# Altium PCB PCB1.PcbDoc (part 1 of 2) (continued)
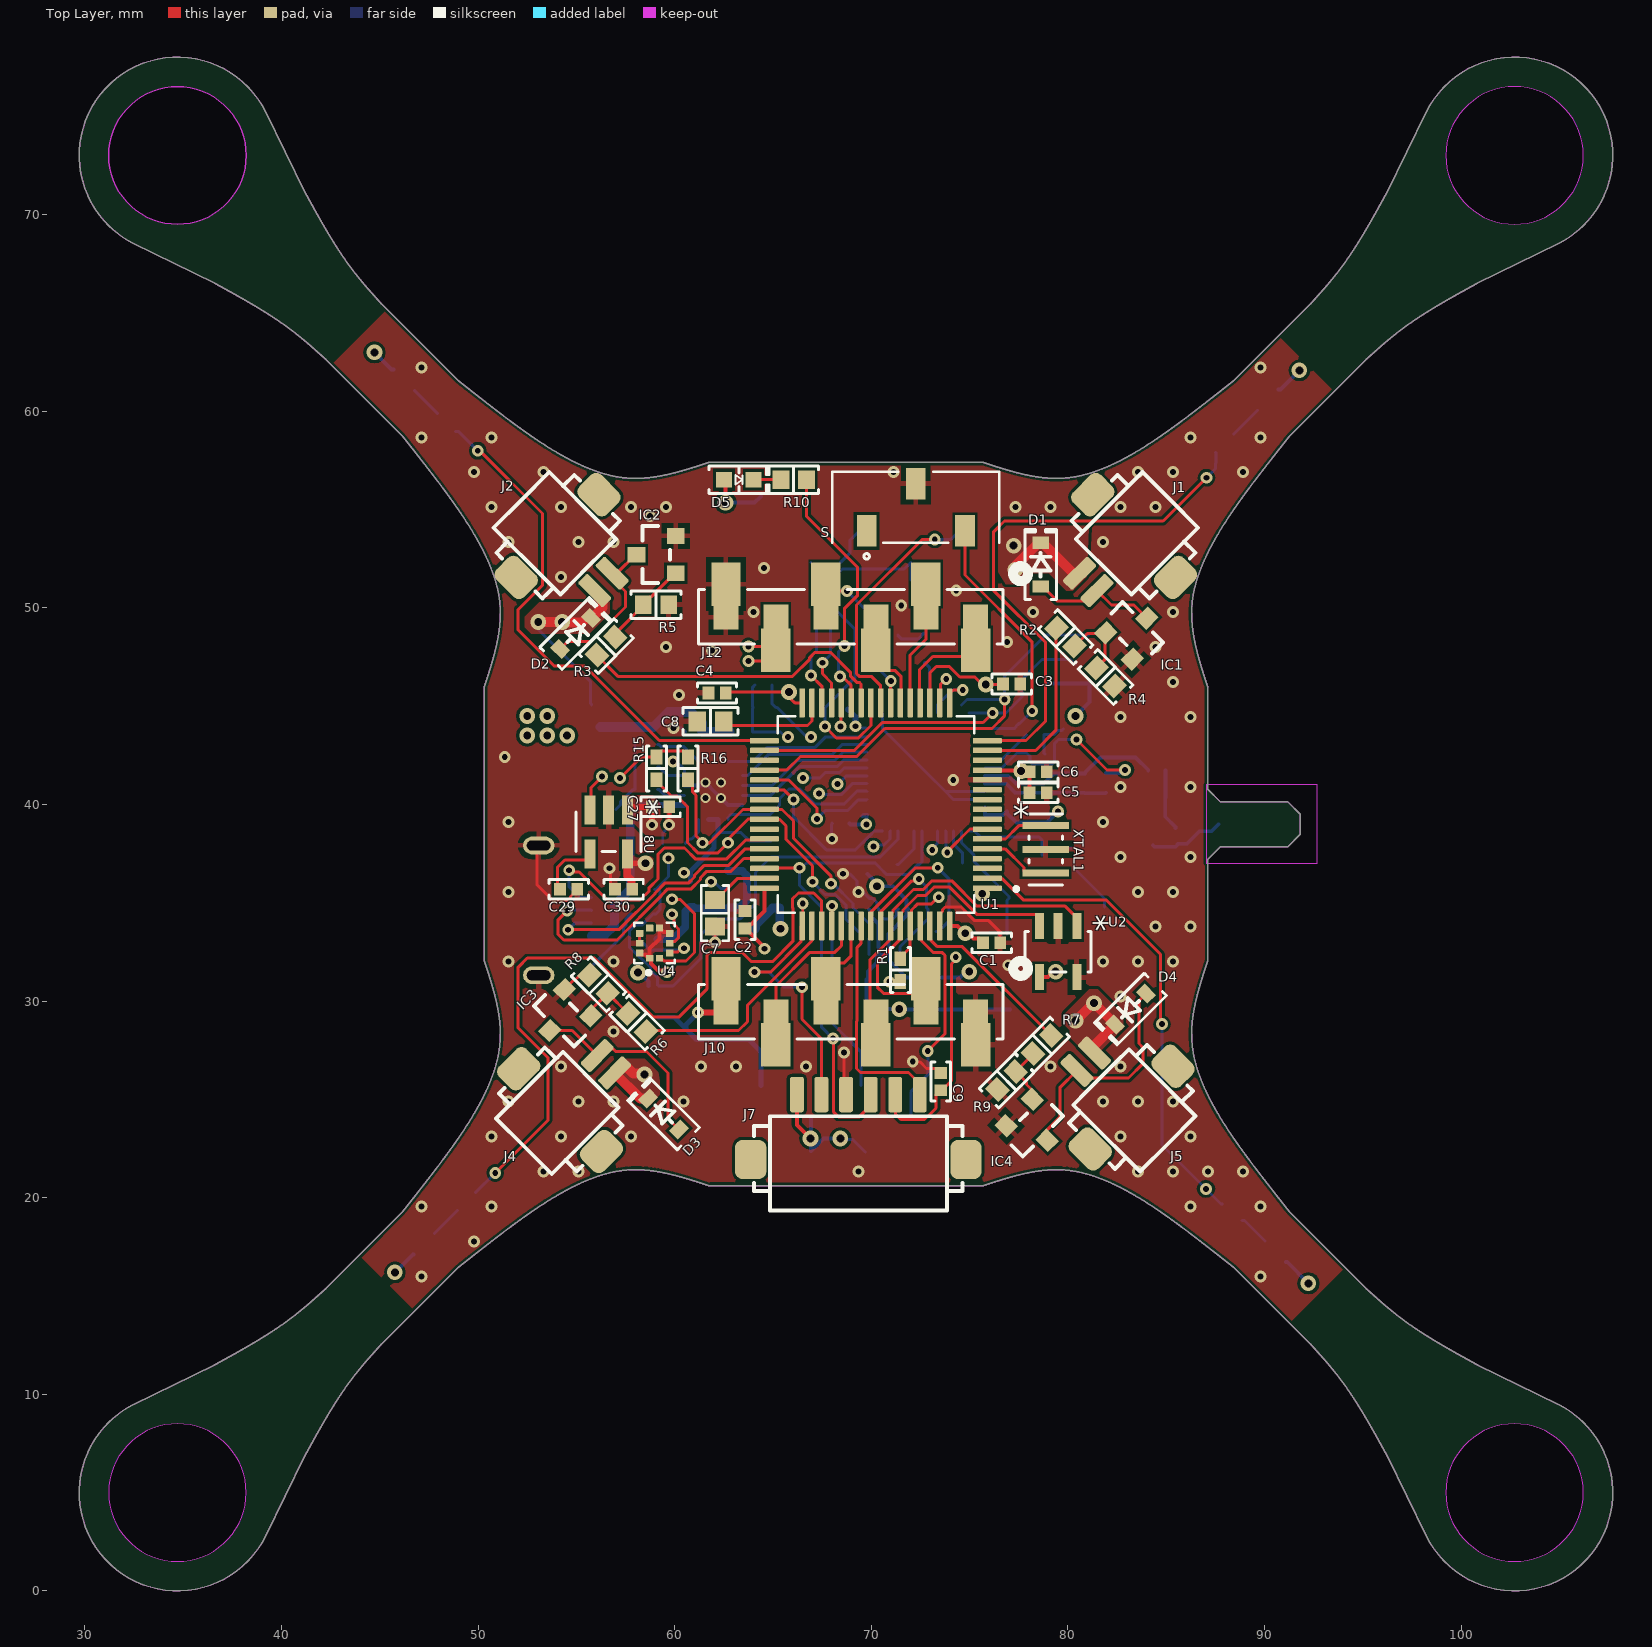
[diagram p0: Top Layer view]
## Part data (continued)
D7 D9: library part XZVG53W-3, "LED GREEN CLEAR CHIP SMD", Current - Test=20mA, Device Package="0603 (1608 Metric)", Lens Color=Colorless, Manufacturer=SunLED, Millicandela Rating=49mcd, Supplier Device Package="Chip LED", Supplier Part Number 1=1497-1214-1-ND, Voltage - Forward (Vf) (Typ)=2.1V, Color=Green, ComponentLink1Description=Datasheet, ComponentLink1URL=https://www.sunledusa.com/products/spec/XZVG53W-3.pdf, ComponentLink2Description="DigiKey Link", ComponentLink2URL=http://digikey.com/product-detail/en/sunled/XZVG53W-3/1497-1214-1-ND/4745906, Configuration=Standard, Height (Max)=0.45mm, LastUpdated="1/21/2020 3:12:15 AM", Lens Size="1.10mm x 0.80mm", Lens Style="Rectangle with Flat Top", Lens Transparency=Clear, Lifecycle Status=Active, Minimum Order=1, Mounting Type="Surface Mount", Package / Case="0603 (1608 Metric)", Packaging=TapeAndReel, PartId=580, Part Number=XZVG53W-3, Part Status=Active, Price=0.07, Series=-, Size / Dimension="1.60mm L x 0.80mm W", Supplier 1=DigiKey, Viewing Angle=120°, Wavelength - Dominant=570nm, Wavelength - Peak=574nm
IC1 IC2 IC3 IC4: "MOSFET N-CH 60V 115MA SOT-23", Current - Continuous Drain (Id) @ 25°C="115mA (Ta)", Device Package="TO-236-3, SC-59, SOT-23-3", Drain to Source Voltage (Vdss)=60V, Drive Voltage (Max Rds On,  Min Rds On)="5V, 10V", Input Capacitance (Ciss) (Max) @ Vds="50pF @ 25V", Manufacturer="ON Semiconductor", Operating Temperature="-55°C ~ 150°C (TJ)", Power Dissipation (Max)="200mW (Ta)", Supplier Device Package="SOT-23 (TO-236AB)", Supplier Part Number 1=2N7002NCT-ND, ComponentLink1Description=Datasheet, ComponentLink1URL=https://www.onsemi.com/pub/Collateral/NDS7002A-D.PDF, ComponentLink2Description="DigiKey Link", ComponentLink2URL=http://digikey.com/product-detail/en/on-semiconductor/2N7002/2N7002NCT-ND/244664, FET Type=N-Channel, LastUpdated="1/21/2020 4:01:12 AM", Lifecycle Status=Active, Minimum Order=1, Mounting Type="Surface Mount", Package / Case="TO-236-3, SC-59, SOT-23-3", Packaging=TapeAndReel, Part Number=2N7002, Part Status=Active, Price=0.06, Rds On (Max) @ Id, Vgs="7.5Ohm @ 500mA, 10V", Series=-, Supplier 1=DigiKey, Technology="MOSFET (Metal Oxide)", Vgs (Max)=±20V, Vgs(th) (Max) @ Id="2.5V @ 250µA"
J1 J2 J4 J5 J6: "CONN HEADER SMD R/A 2POS 1.25MM", Current Rating (Amps)=1A, Insulation Color=Beige, Manufacturer="Hirose Electric Co Ltd", Material Flammability Rating="UL94 V-0", Operating Temperature="-35°C ~ 85°C", Supplier Part Number 1=H126434-ND, Voltage Rating=150V, ComponentLink1Description=Datasheet, ComponentLink1URL=https://www.hirose.com/product/download/?distributor=digikey&type=specSheet&lang=en&num=DF13A-2P-1.25H(75), ComponentLink2Description="DigiKey Link", ComponentLink2URL=//digikey.com/product-detail/en/hirose-electric-co-ltd/DF13A-2P-1.25H-75/H126434-ND/9170674, Connector Type=Header, Contact Finish - Mating=Tin, Contact Finish - Post=Tin, Contact Finish Thickness - Mating="39.4µin (1.00µm)", Contact Material=Brass, Contact Shape=Square, Contact Type="Male Pin", Fastening Type="Detent Lock", Features="Solder Retention", Insulation Height="0.142\" (3.60mm)", Insulation Material="Polyamide (PA), Nylon", LastUpdated="12/16/2019 7:33:40 PM", Lifecycle Status=0, Minimum Order=1, Mounting Type="Surface Mount, Right Angle", Number of Positions=2, Number of Positions Loaded=All, Number of Rows=1, Packaging=Tube, PartId=6, Part Number=DF13A-2P-1.25H(75), Part Status=Active, Pitch - Mating="0.049\" (1.25mm)", Price=0.37, Series=DF13, Shrouding="Shrouded - 4 Wall", Style="Board to Cable/Wire", Supplier 1=DigiKey, Termination=Solder
J3: "CONN RCPT USB2.0 MICRO B SMD R/A", Current Rating (Amps)="1.8A per Contact", Manufacturer="Amphenol ICC (FCI)", Operating Temperature="-30°C ~ 80°C", Supplier Part Number 1=609-4616-2-ND, Voltage - Rated=100VAC, ComponentLink1Description=Datasheet, ComponentLink1URL=https://cdn.amphenol-icc.com/media/wysiwyg/files/documentation/datasheet/inputoutput/io_usb_micro.pdf, ComponentLink2Description="DigiKey Link", ComponentLink2URL=//digikey.com/product-detail/en/amphenol-icc-fci/10118193-0001LF/609-4616-2-ND/2785388, Connector Type="USB - micro B", Features="Solder Retention", Gender=Receptacle, LastUpdated="12/9/2019 8:51:28 PM", Lifecycle Status=0, Mating Cycles=10000, Minimum Order=1, Mounting Feature=Horizontal, Mounting Type="Surface Mount, Right Angle; Through Hole", Number of Contacts=5, Number of Ports=1, Packaging=TapeAndReel, Part Number=10118193-0001LF, Part Status=Active, Price=0.21, Series=-, Shielding=Shielded, Specifications="USB 2.0", Supplier 1=DigiKey, Termination=Solder
J7: "CONN HEADER SMD R/A 6POS 1.25MM", Current Rating (Amps)=1A, Insulation Color=Beige, Manufacturer="Hirose Electric Co Ltd", Material Flammability Rating="UL94 V-0", Operating Temperature="-35°C ~ 85°C", Supplier Part Number 1=H126442-ND, Voltage Rating=150V, ComponentLink1Description=Datasheet, ComponentLink1URL=https://www.hirose.com/product/document?clcode=CL0536-0109-0-76&productname=DF13-10P-1.25DSA(76)&series=DF13&documenttype=Catalog&lang=en&documentid=D31687_en, ComponentLink2Description="DigiKey Link", ComponentLink2URL=http://digikey.com/product-detail/en/hirose-electric-co-ltd/DF13A-6P-1.25H-75/H126442-ND/9170682, Connector Type=Header, Contact Finish - Mating=Tin, Contact Finish - Post=Tin, Contact Finish Thickness - Mating="39.4µin (1.00µm)", Contact Material=Brass, Contact Shape=Square, Contact Type="Male Pin", Fastening Type="Detent Lock", Features="Solder Retention", Insulation Height="0.142\" (3.60mm)", Insulation Material="Polyamide (PA), Nylon", LastUpdated="1/15/2020 3:36:45 AM", Lifecycle Status=Active, Minimum Order=1, Mounting Type="Surface Mount, Right Angle", Number of Positions=6, Number of Positions Loaded=All, Number of Rows=1, Packaging=Tube, PartId=10, Part Number=DF13A-6P-1.25H(75), Part Status=Active, Pitch - Mating="0.049\" (1.25mm)", Price=0.51, Series=DF13, Shrouding="Shrouded - 4 Wall", Style="Board to Cable/Wire", Supplier 1=DigiKey, Termination=Solder
J8: "CONN HEADER SMD R/A 4POS 1.25MM", Current Rating (Amps)=1A, Insulation Color=Beige, Manufacturer="Hirose Electric Co Ltd", Material Flammability Rating="UL94 V-0", Operating Temperature="-35°C ~ 85°C", Supplier Part Number 1=H126438-ND, Voltage Rating=150V, ComponentLink1Description=Datasheet, ComponentLink1URL=https://www.hirose.com/product/download/?distributor=digikey&type=specSheet&lang=en&num=DF13A-4P-1.25H(75), ComponentLink2Description="DigiKey Link", ComponentLink2URL=//digikey.com/product-detail/en/hirose-electric-co-ltd/DF13A-4P-1.25H-75/H126438-ND/9170678, Connector Type=Header, Contact Finish - Mating=Tin, Contact Finish - Post=Tin, Contact Finish Thickness - Mating="39.4µin (1.00µm)", Contact Material=Brass, Contact Shape=Square, Contact Type="Male Pin", Fastening Type="Detent Lock", Features="Solder Retention", Insulation Height="0.142\" (3.60mm)", Insulation Material="Polyamide (PA), Nylon", LastUpdated="12/16/2019 7:34:28 PM", Lifecycle Status=0, Minimum Order=1, Mounting Type="Surface Mount, Right Angle", Number of Positions=4, Number of Positions Loaded=All, Number of Rows=1, Packaging=Tube, PartId=8, Part Number=DF13A-4P-1.25H(75), Part Status=Active, Pitch - Mating="0.049\" (1.25mm)", Price=0.45, Series=DF13, Shrouding="Shrouded - 4 Wall", Style="Board to Cable/Wire", Supplier 1=DigiKey, Termination=Solder
J9 J10 J11 J12: "con 6pos 2.54mm TE connectivity", Built_By=EMA_UL_Team, Copyright="Copyright (C) 2016 Accelerated Designs. All rights reserved", Manufacturer_Part_Number=1241152-6, RefDes=RefDes, SourceLibrary=Tyco_2012-1-03, Type=DEV, Vendor="TE Connectivity"
R1 R15 R16 R17 R18 R19 R20: library part RT0402FRE074K7L, "RES SMD 4.7K OHM 1% 1/16W 0402", Device Package="0402 (1005 Metric)", Manufacturer=Yageo, Operating Temperature="-55°C ~ 155°C", Power (Watts)="0.063W, 1/16W", Resistance="4.7 kOhms", Supplier Device Package=0402, Supplier Part Number 1=YAG3347CT-ND, Temperature Coefficient=±50ppm/°C, Tolerance=±1%, ComponentLink1Description=Datasheet, ComponentLink1URL=https://www.yageo.com/upload/media/product/productsearch/datasheet/rchip/PYu-RT_1-to-0.01_RoHS_L_11.pdf, ComponentLink2Description="DigiKey Link", ComponentLink2URL=http://digikey.com/product-detail/en/yageo/RT0402FRE074K7L/YAG3347CT-ND/5418052, Composition="Thin Film", Height - Seated (Max)="0.014\" (0.35mm)", LastUpdated="1/21/2020 12:06:02 AM", Lifecycle Status=Active, Minimum Order=1, Number of Terminations=2, Package / Case="0402 (1005 Metric)", Packaging=TapeAndReel, PartId=3198, Part Number=RT0402FRE074K7L, Part Status=Active, Price=0.01, Series=RT, Size / Dimension="0.039\" L x 0.020\" W (1.00mm x 0.50mm)", Supplier 1=DigiKey
R2 R3 R4 R5 R6 R7 R8 R9 R10 R11 R12 R13 R14 R21: library part AC0603FR-0710KL, "RES SMD 10K OHM 1% 1/10W 0603", Device Package="0603 (1608 Metric)", Manufacturer=Yageo, Operating Temperature="-55°C ~ 155°C", Power (Watts)="0.1W, 1/10W", Ratings=AEC-Q200, Resistance="10 kOhms", Supplier Device Package=0603, Supplier Part Number 1=311-10KLDCT-ND, Temperature Coefficient=±100ppm/°C, Tolerance=±1%, ComponentLink1Description=Datasheet, ComponentLink1URL=https://www.yageo.com/upload/media/product/productsearch/datasheet/rchip/PYu-AC_51_RoHS_L_7.pdf, ComponentLink2Description="DigiKey Link", ComponentLink2URL=http://digikey.com/product-detail/en/yageo/AC0603FR-0710KL/311-10KLDCT-ND/2828135, Composition="Thick Film", Features="Automotive AEC-Q200, Moisture Resistant", Height - Seated (Max)="0.022\" (0.55mm)", LastUpdated="1/21/2020 12:19:55 AM", Lifecycle Status=Active, Minimum Order=1, Number of Terminations=2, Package / Case="0603 (1608 Metric)", Packaging=CutTape, PartId=17347, Part Number=AC0603FR-0710KL, Part Status=Active, Price=0.10, Series=AC, Size / Dimension="0.063\" L x 0.031\" W (1.60mm x 0.80mm)", Supplier 1=DigiKey
R22 R23 R24 R25 R26 R27: library part MCS0402PD1002DE500, "RES 10K OHM 0.5% 1/5W 0402", Device Package="0402 (1005 Metric)", Manufacturer="Vishay Beyschlag", Operating Temperature="-55°C ~ 175°C", Power (Watts)="0.2W, 1/5W", Ratings=AEC-Q200, Resistance="10 kOhms", Supplier Device Package=0402, Supplier Part Number 1=749-1515-1-ND, Temperature Coefficient=±25ppm/°C, Tolerance=±0.5%, ComponentLink1Description=Datasheet, ComponentLink1URL=http://www.vishay.com/docs/28916/mcxhp.pdf, ComponentLink2Description="DigiKey Link", ComponentLink2URL=http://digikey.com/product-detail/en/vishay-beyschlag/MCS0402PD1002DE500/749-1515-1-ND/7245033, Composition="Thin Film", Features="Anti-Sulfur, Automotive AEC-Q200", Height - Seated (Max)="0.015\" (0.37mm)", LastUpdated="1/21/2020 12:06:03 AM", Lifecycle Status=Active, Minimum Order=1, Number of Terminations=2, Package / Case="0402 (1005 Metric)", Packaging=TapeAndReel, PartId=2460, Part Number=MCS0402PD1002DE500, Part Status=Active, Price=0.08, Series="MCS HP", Size / Dimension="0.039\" L x 0.020\" W (1.00mm x 0.50mm)", Supplier 1=DigiKey
S: "Slide Switch SPDT Surface Mount", Package=None, Availability=Unavailable, MF=C&K, MP=JS102011JCQN, Price=None, SnapEDA_Link=https://www.snapeda.com/parts/JS102011JCQN/C%26K/view-part/595990/?ref=snap
U1: "ARM® Cortex®-M4 STM32F4 Microcontroller IC 32-Bit 168MHz 1MB _1M x 8_ FLASH 64-LQFP _10x10_", Package="LQFP-64 STMicroelectronics", Digi-Key_Part_Number=497-11767-ND, Digi-Key_Purchase_URL=https://www.digikey.com/product-detail/en/stmicroelectronics/STM32F405RGT6/497-11767-ND/2754208?utm_source=snapeda&utm_medium=aggregator&utm_campaign=symbol, MF=STMicroelectronics, MP=STM32F405RGT6, SnapEDA_Link=https://www.snapeda.com/parts/STM32F405RGT6/STMicroelectronics/view-part/105502/?ref=snap
U2 U6: "No Description Available", RefDes=RefDes, Type=DEV
  U2: Built_By=EMA_Jessica, Copyright="Copyright (C) 2018 Accelerated Designs. All rights reserved", Manufacturer_Part_Number=24AA64FT-I/OT, SourceLibrary=Microchip_2019-08-23_20, Vendor=Microchip
  U6: Copyright="Copyright (C) 2016 Accelerated Designs. All rights reserved", Manufacturer_Part_Number=NCP702SN30T1G, SourceLibrary=ONSemi_2017-12-12_1, Vendor="ON Semiconductor"
U3: "Accelerometer, Gyroscope, 6 Axis Sensor I²C, SPI Output", Package="VFLGA-16 Bosch Sensortec", Availability=Unavailable, MF="Bosch Sensortec", MP=BMI088, Price=None, SnapEDA_Link=https://www.snapeda.com/parts/BMI088/Bosch%20Sensortec/view-part/2774026/?ref=snap
U4: "Pressure Sensor 4.35PSI ~ 18.13PSI _30kPa ~ 125kPa_ Absolute 10-WFLGA", Package="WFLGA-10 Bosch Tools", Digi-Key_Part_Number=828-1079-1-ND, Digi-Key_Purchase_URL=https://www.digikey.com/product-detail/en/bosch-sensortec/BMP388/828-1079-1-ND/8322640?utm_source=snapeda&utm_medium=aggregator&utm_campaign=symbol, MF="Bosch Sensortec", MP=BMP388, SnapEDA_Link=https://www.snapeda.com/parts/BMP388/Bosch%20Sensortec/view-part/2747857/?ref=snap
U7: "USB-Friendly Li-Ion Battery Charger and Power-Path Management IC, Vout 5.5V", Manufacturer="Texas Instruments", PACKAGE_DESIGNATOR=RGT, Copyright="Copyright (C) 2018 Accelerated Designs. All rights reserved", Datasheet_URL=http://www.ti.com/lit/gpn/BQ24075, FAMILY_NAME="BATTERY CHARGE MANAGEMENT", GENERIC_PART_NUMBER=BQ24075, INDUSTRY_STD_PKG_TYPE=QFN, PIN_COUNT=16, RefDes=RefDes, Type=DEV
U8: "No Description Available", Manufacturer="Texas Instruments", Built_By=EMA_UL_Team, Copyright="Copyright (C) 2018 Accelerated Designs. All rights reserved", Manufacturer_Part_Number=LP2985-30DBVR, RefDes=RefDes, SourceLibrary=TI_2014-06-19, Type=DEV, Vendor="Texas Instruments"
U9: "Power Switch/Driver 1:1 P-Channel 1.4A 4-TDFN (1.2x1.6)", Package="UFDFN-4 Vishay Siliconix", Availability=Unavailable, MF="Vishay Siliconix", MP=SIP32431DNP3-T1GE4, Price=None, SnapEDA_Link=https://www.snapeda.com/parts/SIP32431DNP3-T1GE4/Vishay%20Siliconix/view-part/549445/?ref=snap
XTAL1: library part CSTNE8M00GH5L000, "No Description Available", Built_By=EMA_Cory, Copyright="Copyright (C) 2018 Accelerated Designs. All rights reserved", Datasheet=https://www.murata.com/en/products/productdata/8801161805854/SPEC-CSTNE8M00GH5L000R0.pdf, Manufacturer_Part_Number=CSTNE8M00GH5L000R0, RefDes=RefDes, SourceLibrary=Murata_2020-02-28, Type=DEV, Vendor=Murata
Y1: library part ABM8G-16.000MHZ-B4Y-T, "CRYSTAL 16.0000MHZ 10PF SMD", Device Package="4-SMD, No Lead", ESR (Equivalent Series Resistance)="80 Ohms", Frequency Stability=±30ppm, Load Capacitance=10pF, Manufacturer="Abracon LLC", Operating Mode=Fundamental, Operating Temperature="-20°C ~ 70°C", Supplier Part Number 1=535-10289-1-ND, ComponentLink1Description=Datasheet, ComponentLink1URL=https://abracon.com/Resonators/ABM8G.pdf, ComponentLink2Description="DigiKey Link", ComponentLink2URL=http://digikey.com/product-detail/en/abracon-llc/ABM8G-16.000MHZ-B4Y-T/535-10289-1-ND/2218102, Frequency=16MHz, Frequency Tolerance=±30ppm, Height - Seated (Max)="0.039\" (1.00mm)", LastUpdated="3/19/2020 10:36:25 PM", Lifecycle Status=Active, Minimum Order=1, Mounting Type="Surface Mount", Package / Case="4-SMD, No Lead", Packaging=TapeAndReel, PartId=302, Part Number=ABM8G-16.000MHZ-B4Y-T, Part Status=Active, Price=0.50, Series=ABM8G, Size / Dimension="0.126\" L x 0.098\" W (3.20mm x 2.50mm)", Supplier 1=DigiKey, Type="MHz Crystal"
L1 L2 L3 L4: Code_IEC=1005, Code_JEITA=0402, LatestRevisionDate=29-May-2009, LatestRevisionNote="IPC-7351 Footprint Added.", PackageDescription="Chip Inductor", PackageReference=0402-A, Published=8-Jun-2000, Publisher="Altium Limited"
U5: SnapEDA_Link=https://www.snapeda.com/parts/NRF51822-QFAC-T/Nordic%20Semiconductor%20ASA/view-part/50058/?ref=snap

## Free pads (board coordinates)
  round 1 smd far side: 2(77.064,29.566) 3(69.698,22.327) 4(64.897,38.151) 5(78.892,46.152) 6(53.035,48.92)

## Via types
v1: diameter 0.61, hole 0.305, Top Layer to Bottom Layer, tented both sides, 84 vias
v2: diameter 0.6, hole 0.3, Top Layer to Bottom Layer, tented both sides, 84 vias
v3: diameter 0.8, hole 0.4, Top Layer to Bottom Layer, tented both sides, 32 vias
v4: diameter 0.6/0.6/0.6 (per signal layer), hole 0.3, Top Layer to Bottom Layer, tented both sides, 2 vias

## Nets (pads, with @x,y where several pads share a name; then routed paths per layer and width w, separated by ;. In a path a pad name is that pad's centre, name@x,y a point inside that pad or via, vN(x,y) a via of type N, cw(c..) or ccw(c..) an arc to the next point about the centre after c; other vN are vias at no path point)
E_IO1: J10.4 U1.54 | length 3.4
  Top Layer w0.152: J10.4@67.691,31.128 67.691,31.255 68.364,31.928 68.605,31.928 68.981,32.303 U1.54@68.981,33.827
E_IO2: J10.5 U1.53 | length 6.5
  Top Layer w0.152: J10.5@65.151,29.451 65.151,30.765 66.847,32.461 68.123,32.461 68.481,32.819 U1.53@68.481,33.827
E_MDM_IO1: J9.1 U1.24 | length 12.7
  Top Layer w0.152: U1.24@70.481,45.167 70.481,46.043 70.004,46.52 69.387,46.52 69.253,46.654 69.253,50.145 72.587,53.48 v4(73.228,53.48)
  Bottom Layer w0.152: v4(73.228,53.48) 74.041,53.48 J9.1@74.549,53.988
E_MDM_IO2: J9.2 U1.25 | length 17.6
  Top Layer w0.152: v2(67.64,43.967) 68.224,43.383 69.344,43.383 69.981,44.02 U1.25@69.981,45.167
  Bottom Layer w0.152: v2(67.64,43.967) 67.64,44.919 69.159,46.438 69.159,48.925 68.229,49.855 68.229,51.667 68.539,51.976 71.674,51.976 J9.2@72.009,52.311 J9.2@72.009,51.422
E_MDM_IO3: J11.3 U1.52 | length 10.8
  Top Layer w0.152: U1.52@67.981,33.827 67.992,33.838 67.992,34.833 v2(68.004,34.844)
  Bottom Layer w0.152: v2(68.004,34.844) 68.004,28.885 69.469,27.419 J11.3@69.469,25.717
E_MDM_IO4: J11.2 U1.61 | length 11.3
  Top Layer w0.152: U1.61@72.481,33.827 72.481,33.149 73.169,32.461 73.615,32.461 73.749,32.327 73.749,28.334 v2(72.873,27.457)
  Bottom Layer w0.152: J11.2@72.009,24.041 72.009,25.387 72.873,26.251 v2(72.873,27.457)
E_SCL: J10.3 U1.58 U2.1 | length 17
  Top Layer w0.152: J10.3@70.231,29.451 69.926,29.756 69.926,32.094 70.917,33.085 70.917,33.763 U1.58@70.981,33.827 70.981,34.422 71.112,34.553 71.112,34.636 72.152,35.676 72.648,35.676 73.086,36.114 74.097,36.114 75.381,34.83 79.861,34.83 80.452,34.239 U2.1@80.452,33.807
E_SDA: J10.2 U1.59 U2.3 | length 15.9
  Top Layer w0.152: J10.2@72.771,31.128 72.771,31.067 72.098,30.394 70.622,30.394 70.307,30.709 70.307,31.977 71.194,32.863 71.195,32.863 71.35,33.018 71.35,33.02 71.481,33.151 U1.59@71.481,33.827 71.481,34.422 71.612,34.553 71.612,34.636 72.347,35.371 72.774,35.371 73.212,35.809 73.97,35.809 75.388,34.392 78.4,34.392 78.552,34.239 U2.3@78.552,33.807
E_SPI_MISO: J12.3 U1.22 | length 3.4
  Top Layer w0.152: J12.3@70.231,47.854 70.231,47.498 70.904,46.825 71.194,46.825 71.522,46.498 71.522,45.208 U1.22@71.481,45.167
E_SPI_MOSI: J12.4 U1.23 | length 7.9
  Top Layer w0.152: J12.4@67.691,51.206 68.021,50.876 68.123,50.978 68.25,50.851 v2(68.758,50.851) ; U1.23@70.981,45.167 70.987,45.173 70.987,46.273 v2(70.993,46.279)
  Bottom Layer w0.152: v2(68.758,50.851) 69.926,49.682 69.926,47.346 v2(70.993,46.279)
E_SPI_NSS: J12.1 U1.20 | length 5.6
  Top Layer w0.152: U1.20@72.481,45.167 72.441,45.207 72.441,46.838 73.127,47.523 75.032,47.523 75.311,47.244 J12.1@75.311,47.854
E_SPI_SCK: J12.2 U1.21 | length 4.7
  Top Layer w0.152: U1.21@71.981,45.167 71.981,47.597 72.771,48.387 J12.2@72.771,49.53
E_UART_RX: J9.4 U1.30 | length 7.6
  Top Layer w0.152: v2(66.94,46.558) 67.481,46.017 U1.30@67.481,45.167
  Bottom Layer w0.152: J9.4@66.929,52.311 67.208,52.032 67.208,47.81 66.94,47.542 v2(66.94,46.558)
E_UART_TX: J9.3 U1.29 | length 9.8
  Top Layer w0.152: v2(67.513,47.206) 67.513,46.649 67.981,46.181 U1.29@67.981,45.167
  Bottom Layer w0.152: v2(67.513,47.206) 67.924,47.617 67.924,51.793 68.91,52.779 68.91,53.429 J9.3@69.469,53.988
E_VCOM: J10.6 J11.5 U9.1 | length 10.2
  Top Layer w0.3: v2(61.189,29.413) 62.573,29.413 J10.6@62.611,29.451
  Bottom Layer w0.25: U9.1@59.178,29.177 59.977,29.177 60.583,28.571 61.11,28.044 63.765,28.044 64.389,27.419 J11.5@64.389,25.717
  Bottom Layer w0.254: 60.583,28.571 60.583,28.807 v2(61.189,29.413)
GND: C1.1 C2.1 C3.1 C4.1 C5.1 C6.1 C7.2 C8.1 C9.2 C10.1 C11.1 C12.1 C13.1 C14.1 C17.1 C18.1 C19.1 C20.1 C21.1 C22.1 C23.1 C24.1 C25.1 C26.1 C27.1 C28.1 C29.1 C30.1 IC1.2 IC2.2 IC3.2 IC4.2 J3.5 J3.S J6.2 J7.4 J8.4 J9.6 J10.1 J11.1 J11.6 J12.6 R1.1 R4.1 R5.1 R8.1 R9.1 R20.2 R23.1 R24.1 R25.1 R26.1 R27.1 S.2 U1.12 U1.18 U1.28 U1.63 U2.2 U2.5 U3.4 U3.6 U3.15 U4.3 U4.8 U4.9 U5.13 U5.33 U5.34 U5.49 U6.2 U7.8 U7.15 U7.17 U7.V U8.2 U9.2 U9.5 XTAL1.2 Y1.2 Y1.4 | length 57.5
  Top Layer w0.152: J3.S@53.01,37.897 53.01,35.904 53.786,35.128 54.555,35.128 54.699,35.272 54.699,35.316 55.05,35.667 C29.1@55.05,35.687 ; IC3.2@54.391,30.589 54.872,31.069 54.93,31.069 55.181,31.321 R8.1@55.674,31.321 ; v2(56.693,36.754) 56.74,36.706 56.74,35.894 C30.1@56.947,35.687 ; U4.8@58.214,33.444 58.214,32.947 U4.9@58.217,32.944 ; v2(59.715,38.964) 59.715,39.87 C27.1@59.724,39.878 ; U4.3@59.741,32.436 59.801,32.496 60.162,32.496 60.356,32.69 v2(60.477,32.69) ; v2(62.052,32.995) C7.2@62.052,33.793 ; v2@68.428,44.069 68.454,44.096 68.454,45.14 U1.28@68.481,45.167 ; v2@68.656,27.381 68.605,27.33 68.605,25.356 J7.4@68.717,25.244 ; v2@72.085,26.899 72.486,26.899 72.813,26.572 73.403,26.572 C9.2@73.635,26.34 ; U1.63@73.481,33.827 73.481,34.422 73.612,34.553 73.612,34.636 73.767,34.791 74.558,34.791 75.262,34.087 75.971,34.087 76.556,33.503 76.556,32.977 C1.1@76.564,32.969 ; U1.18@73.481,45.167 73.531,45.217 73.531,46.131 73.635,46.234 v2@73.635,46.355
  Bottom Layer w0.152: J3.S@55.536,31.414 55.536,31.514 57.401,33.379 57.401,33.726 57.521,33.846 57.521,34.193 57.745,34.417 R23.1@57.82,34.417 ; C26.1@57.015,39.751 57.239,39.975 57.239,40.113 57.897,40.771 R25.1@57.972,40.771 R27.1@57.972,41.912 R26.1@57.972,43.053 ; C24.1@58.234,33.147 58.234,33.127 58.585,32.776 58.585,32.732 58.719,32.598 60.265,32.598 60.382,32.715 v2@60.427,32.715 ; R24.1@59.394,38.024 59.394,38.552 59.69,38.848 v2@59.69,38.938 ; v2(59.944,43.891) 60.357,43.891 C25.1@60.56,43.688 ; v2(61.849,36.068) 61.935,35.982 62.087,35.982 62.332,35.738 U6.2@62.687,35.738 ; v2@67.97,38.278 67.97,38.989 C19.1@68.013,39.032 ; C19.1@68.013,39.065 C19.1@68.013,39.032 ; C19.1@68.021,39.04 C19.1@68.013,39.032 ; C10.1@68.927,36.474 68.927,36.454 69.279,36.103 69.279,35.852 69.92,35.211 70.088,35.211 70.282,35.017 70.282,34.78 U3.6@70.374,34.688 ; U3.6@70.358,34.671 70.466,34.563 70.466,34.359 70.656,34.169 71.092,34.169 71.282,34.359 71.282,34.596 U3.4@71.374,34.688 ; U5.13@70.571,44.656 70.571,43.856 U5.49@72.771,41.656 U5.49@73.771,40.656 ; U5.34@75.771,40.256 74.171,40.256 U5.49@73.771,40.656 ; U5.33@75.771,40.656 U5.49@73.771,40.656 ; C22.1@78.824,42.57 C22.1@78.799,42.596 78.774,42.621 C13.1@78.774,43.561 79.302,43.561 79.496,43.755 79.681,43.755 79.767,43.84 ; C14.1@80.391,36.898 80.289,36.796 81.864,35.222 81.864,34.773
  Bottom Layer w0.2: U7.15@60.489,40.968 61.714,40.968 U7.17@61.964,40.718 U7.V@62.358,40.324 62.714,39.968 U7.8@63.439,39.968
  other v1: 47.117,16.002 89.789,16.002 49.784,17.78 47.117,19.558 50.673,19.558 86.233,19.558 89.789,19.558 53.34,21.336 55.118,21.336 69.342,21.336 83.566,21.336 85.344,21.336 87.122,21.336 88.9,21.336 50.673,23.114 54.229,23.114 57.785,23.114 82.677,23.114 86.233,23.114 51.562,24.892 55.118,24.892 56.896,24.892 60.452,24.892 81.788,24.892 83.566,24.892 85.344,24.892 54.229,26.67 61.341,26.67 63.119,26.67 66.675,26.67 79.121,26.67 82.677,26.67 56.896,28.448 82.677,30.226 51.562,32.004 56.896,32.004 81.788,32.004 83.566,32.004 85.344,32.004 84.455,33.782 86.233,33.782 51.562,35.56 69.342,35.56 83.566,35.56 85.344,35.56 82.677,37.338 86.233,37.338 51.562,39.116 81.788,39.116 82.677,40.894 86.233,40.894 82.677,44.45 86.233,44.45 85.344,46.228 59.563,48.006 84.455,48.006 64.008,49.784 78.232,49.784 85.344,49.784 54.229,51.562 51.562,53.34 55.118,53.34 56.896,53.34 81.788,53.34 50.673,55.118 54.229,55.118 57.785,55.118 59.563,55.118 77.343,55.118 79.121,55.118 82.677,55.118 84.455,55.118 49.784,56.896 53.34,56.896 71.12,56.896 83.566,56.896 85.344,56.896 88.9,56.896 47.117,58.674 50.673,58.674 86.233,58.674 89.789,58.674 47.117,62.23 89.789,62.23
  other v2: 72.111,26.924 68.605,27.381 70.917,30.988 76.962,31.826 68.555,36.474 67.996,38.252 74.168,41.25 51.359,42.418 68.428,43.967 60.223,45.568 73.812,46.38 61.9,47.828 76.911,48.26 71.526,50.114 74.32,50.876 64.541,52.019 58.75,54.661
IMU_SCL: R15.2 U1.41 U3.8 U4.2 | length 27
  Top Layer w0.152: R15.2@59.08,41.259 59.08,41.184 59.838,40.427 60.118,40.427 60.658,39.887 60.658,38.061 61.198,37.521 62.184,37.521 v2(62.713,38.049) 62.713,38.227 63.754,39.268 63.945,39.268 63.966,39.247 U1.41@64.561,39.247 ; U4.2@59.229,32.179 59.328,32.08 59.429,32.08 59.468,32.04 60.575,32.04 61.006,32.471 61.006,34.447 60.274,35.179 v2(59.868,35.179) ; U1.41@64.561,39.245 65.327,39.245 65.659,38.913 65.659,38.227 67.005,36.881 v2(67.005,36.068)
  GND w0.152: v2(59.868,35.179) 60.66,35.971 60.671,35.971 62.713,38.013 v2(62.713,38.049)
  Bottom Layer w0.152: v2(67.005,36.068) 67.65,35.423 68.172,35.423 68.716,34.879 68.716,34.161 69.349,33.528 U3.8@69.464,33.528
IMU_SDA: R16.2 U1.40 U3.9 U4.4 | length 24.2
  Top Layer w0.152: U4.4@59.744,32.944 59.84,33.04 60.019,33.04 60.198,33.219 60.198,33.669 59.978,33.888 59.978,34.459 v2@59.969,34.468 ; R16.2@60.681,41.259 60.904,41.035 60.904,40.646 61.088,40.462 61.088,38.403 61.315,38.176 v2@61.265,38.125 ; v2(61.417,38.049) 61.773,38.049 63.471,39.747 U1.40@64.561,39.747 65.46,39.747 66.04,39.167 66.04,38.278 67.945,36.373 v2(67.945,35.966)
  GND w0.152: v2(59.868,34.417) 59.339,34.946 59.339,36.135 61.254,38.049 v2(61.417,38.049)
  Bottom Layer w0.152: v2(67.945,35.966) 68.06,35.966 69.066,34.961 69.066,34.759 69.983,33.842 69.983,33.266 69.874,33.157 U3.9@69.874,32.368